# Altium PCB graviton.PcbDoc (part 3 of 15) (continued)
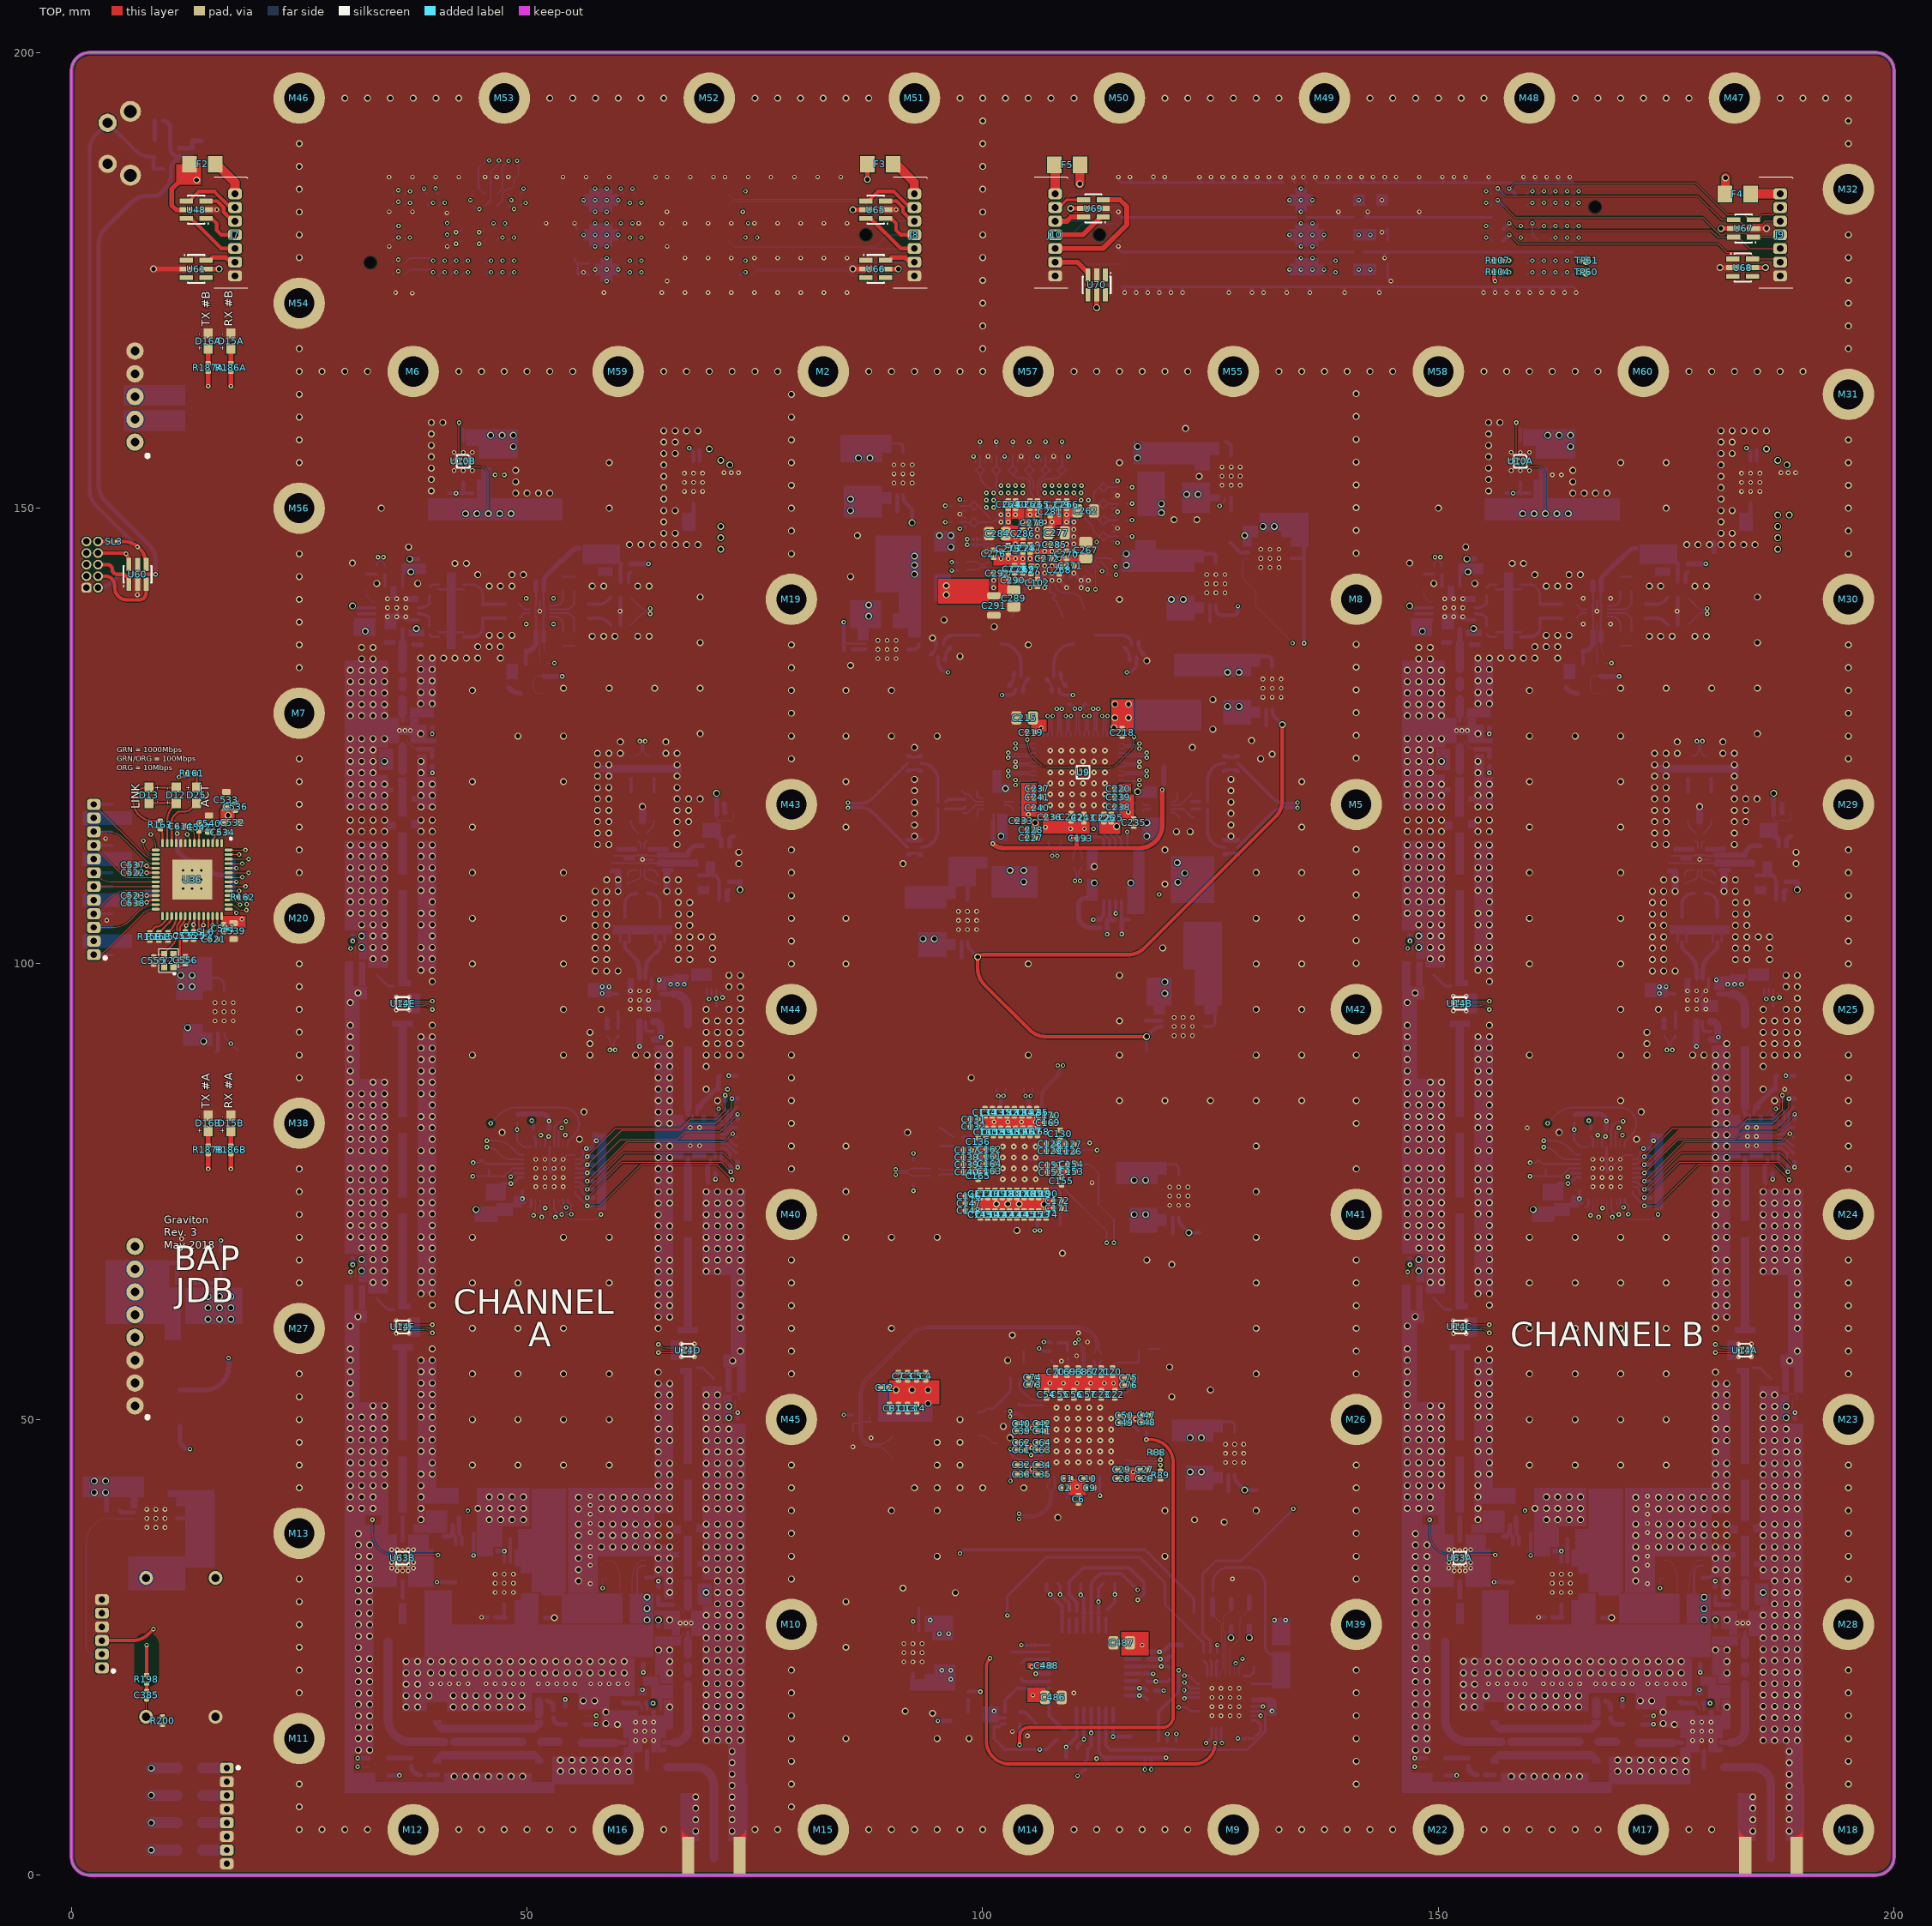
[diagram p0: TOP view]
## Components (designator, comment, footprint, x,y, rotation, side; value= is the part's Value field where it differs from the comment) (continued)
R113A "MCT06030C2000FP500" RESC1608X55N#1 169.955,135.7 r90 bottom value=200 (schematic designator R113)
R113B "MCT06030C2000FP500" RESC1608X55N#1 53.955,135.7 r90 bottom value=200 (schematic designator R113)
R114A "MCT0603MD1500DP500" RESC1608X55N#1 164.356,137.92 r180 bottom value=150 (schematic designator R114)
R114B "MCT0603MD1500DP500" RESC1608X55N#1 48.356,137.92 r180 bottom value=150 (schematic designator R114)
R116A "ERJ-2RKF1003X" RESC1005X40N#1 167.75,133 r0 bottom value=100k (schematic designator R116)
R116B "ERJ-2RKF1003X" RESC1005X40N#1 51.75,133 r0 bottom value=100k (schematic designator R116)
R117A "RT0402BRE075K76L" RESC1005X40N#1 173.8,143.9 r90 bottom value=5.76k (schematic designator R117)
R117B "RT0402BRE075K76L" RESC1005X40N#1 57.8,143.9 r90 bottom value=5.76k (schematic designator R117)
R119A "ERJ-2RKF1503X" RESC1005X40N#1 167.75,134 r180 bottom value=150k (schematic designator R119)
R119B "ERJ-2RKF1503X" RESC1005X40N#1 51.75,134 r180 bottom value=150k (schematic designator R119)
R120A "ERA-2AEB5491X" RESC1005X40N#1 173.8,142.3 r90 bottom value=5.49k (schematic designator R120)
R120B "ERA-2AEB5491X" RESC1005X40N#1 57.8,142.3 r90 bottom value=5.49k (schematic designator R120)
R124A "MCS0402PD4990DE500" RESC1005X40N#2 184.235,31.4 r0 bottom value=499 (schematic designator R124)
R124B "MCS0402PD4990DE500" RESC1005X40N#2 151.765,121.85 r180 bottom value=499 (schematic designator R124)
R124C "MCS0402PD4990DE500" RESC1005X40N#1 68.235,31.4 r0 bottom value=499 (schematic designator R124)
R124D "MCS0402PD4990DE500" RESC1005X40N#1 35.765,121.85 r180 bottom value=499 (schematic designator R124)
R125A "ERJ-2RKF9101X" RESC1005X40N#1 180.41,26.74 r270 bottom value=9.1K (schematic designator R125)
R125B "ERJ-2RKF9101X" RESC1005X40N#1 155.59,126.51 r90 bottom value=9.1K (schematic designator R125)
R125C "ERJ-2RKF9101X" RESC1005X40N#1 64.41,26.74 r270 bottom value=9.1K (schematic designator R125)
R125D "ERJ-2RKF9101X" RESC1005X40N#1 39.59,126.51 r90 bottom value=9.1K (schematic designator R125)
R126A "MCS0402PD1001DE500" RESC1005X40N#3 184.21,34.15 r180 bottom value=1k (schematic designator R126)
R126B "MCS0402PD1001DE500" RESC1005X40N#3 151.79,119.1 r0 bottom value=1k (schematic designator R126)
R126C "MCS0402PD1001DE500" RESC1005X40N#1 68.21,34.15 r180 bottom value=1k (schematic designator R126)
R126D "MCS0402PD1001DE500" RESC1005X40N#1 35.79,119.1 r0 bottom value=1k (schematic designator R126)
R127A "RC0402FR-0722RL" RESC1005X40N#1 180.41,31 r270 bottom value=22 (schematic designator R127)
R127B "RC0402FR-0722RL" RESC1005X40N#1 155.59,122.25 r90 bottom value=22 (schematic designator R127)
R127C "RC0402FR-0722RL" RESC1005X40N#1 64.41,31 r270 bottom value=22 (schematic designator R127)
R127D "RC0402FR-0722RL" RESC1005X40N#1 39.59,122.25 r90 bottom value=22 (schematic designator R127)
R130A "ERA-2AEB5230X" RESC1005X40N#1 179.9,92.15 r270 bottom value=523 (schematic designator R130)
R130B "ERA-2AEB5230X" RESC1005X40N#1 63.9,92.15 r270 bottom value=523 (schematic designator R130)
R133A "ERA-2AEB5230X" RESC1005X40N#1 148.25,137.975 r270 bottom value=523 (schematic designator R133)
R133B "ERA-2AEB5230X" RESC1005X40N#1 32.25,137.975 r270 bottom value=523 (schematic designator R133)
R134A "RC0402FR-071KL" RESC1005X40N#1 147.975,141.1 r180 bottom value=1K (schematic designator R134)
R134B "RC0402FR-071KL" RESC1005X40N#1 31.975,141.1 r180 bottom value=1K (schematic designator R134)
R137 "RC0402FR-0722RL" RESC1005X40N#1 107.4,57 r270 bottom value=22
R138 "RC0402FR-0739RL" RESC1005X40N#1 113.5,28.525 r270 bottom value=39
R139 "ERJ-2RKF1002X" RESC1005X40N#1 3.85,39.6 r90 bottom value=10k
R140 "ERA-2AEB49R9X" RESC1005X40N#1 109.3,58.8 r90 bottom value=49.9
R141 "ERJ-2RKF1002X" RESC1005X40N#1 130.4,140.9 r0 bottom value=10K
R142 "ERJ-2RKF1002X" RESC1005X40N#1 93.55,148.45 r0 bottom value=10K
R152A "RT0402DRD0710K5L" RESC1005X40N#1 160,151.15 r270 bottom value=10.5k (schematic designator R152)
R152B "RT0402DRD0710K5L" RESC1005X40N#1 44,151.15 r270 bottom value=10.5k (schematic designator R152)
R153A "RR0510P-202-D" RESC1005X40N#1 157,151.65 r0 bottom value=2k (schematic designator R153)
R153B "RR0510P-202-D" RESC1005X40N#1 41,151.65 r0 bottom value=2k (schematic designator R153)
R157 "ERA-2AEB49R9X" RESC1005X40N#1 10.6,103 r90 top value=49.9
R158 "ERA-2AEB49R9X" RESC1005X40N#1 9.6,103 r90 top value=49.9
R159 "ERJ-2RKF4991X" RESC1005X40N#1 8.6,103 r90 top value=4.99K
R161 "ERA-2AEB101X" RESC1005X40N#1 13.2,120.9 r0 top value=100
R162 "RC0402FR-0722RL" RESC1005X40N#1 18.8,107.3 r180 top value=22
R163 "ERA-2AEB101X" RESC1005X40N#1 9.75,115.25 r90 top value=100
R165 "ERJ-2RKF1002X" RESC1005X40N#1 12.045,113.3 r180 bottom value=10K
R169A "RT0402BRD073K32L" RESC1005X40N#1 184.9,149 r0 bottom value=3.32k (schematic designator R169)
R169B "RT0402BRD073K32L" RESC1005X40N#1 68.9,149 r0 bottom value=3.32k (schematic designator R169)
R170A "RT0402BRD071K02L" RESC1005X40N#1 182.6,148.6 r0 bottom value=1.02k (schematic designator R170)
R170B "RT0402BRD071K02L" RESC1005X40N#1 66.6,148.6 r0 bottom value=1.02k (schematic designator R170)
R171 "ERJ-2RKF4701X" RESC1005X40N#1 9.595,192.5 r0 bottom value=4.7k
R172 "RC0402FR-075K9L" RESC1005X40N#1 13.25,189.055 r270 bottom value=5.9K
R173 "ERJ-2RKF4701X" RESC1005X40N#1 10.5,187.25 r0 bottom value=4.7k
R174 "RC0402FR-071KL" RESC1005X40N#1 14.25,190.75 r270 bottom value=1K
R175A "ERJ-2RKF1002X" RESC1005X40N#1 167.975,81.9 r180 bottom value=10k (schematic designator R175)
R175B "ERJ-2RKF1002X" RESC1005X40N#1 51.975,81.9 r180 bottom value=10k (schematic designator R175)
R176A "RC0402FR-071KL" RESC1005X40N#1 163.4,76.2 r270 bottom value=1K (schematic designator R176)
R176B "RC0402FR-071KL" RESC1005X40N#1 47.4,76.2 r270 bottom value=1K (schematic designator R176)
R177A "ERJ-2RKF1002X" RESC1005X40N#1 173.7,78.85 r180 bottom value=10K (schematic designator R177)
R177B "ERJ-2RKF1002X" RESC1005X40N#1 57.7,78.85 r180 bottom value=10K (schematic designator R177)
R178A "ERJ-2RKF1002X" RESC1005X40N#1 173.7,77.95 r180 bottom value=10K (schematic designator R178)
R178B "ERJ-2RKF1002X" RESC1005X40N#1 57.7,77.95 r180 bottom value=10K (schematic designator R178)
R179A "ERJ-2RKF1002X" RESC1005X40N#1 173.7,77.05 r180 bottom value=10K (schematic designator R179)
R179B "ERJ-2RKF1002X" RESC1005X40N#1 57.7,77.05 r180 bottom value=10K (schematic designator R179)
R180A "ERJ-2RKF1002X" RESC1005X40N#1 173.7,76.15 r180 bottom value=10K (schematic designator R180)
R180B "ERJ-2RKF1002X" RESC1005X40N#1 57.7,76.15 r180 bottom value=10K (schematic designator R180)
R181A "ERJ-2RKF1002X" RESC1005X40N#1 173.7,75.25 r180 bottom value=10K (schematic designator R181)
R181B "ERJ-2RKF1002X" RESC1005X40N#1 57.7,75.25 r180 bottom value=10K (schematic designator R181)
R182A "ERJ-2RKF1002X" RESC1005X40N#1 173.7,74.35 r180 bottom value=10K (schematic designator R182)
R182B "ERJ-2RKF1002X" RESC1005X40N#1 57.7,74.35 r180 bottom value=10K (schematic designator R182)
R183A "ERJ-2RKF1002X" RESC1005X40N#1 173.7,73.45 r180 bottom value=10K (schematic designator R183)
R183B "ERJ-2RKF1002X" RESC1005X40N#1 57.7,73.45 r180 bottom value=10K (schematic designator R183)
R186A "RC0402FR-071KL" RESC1005X40N#1 17.5,165.445 r270 top value=1K (schematic designator R186)
R186B "RC0402FR-071KL" RESC1005X40N#1 17.5,79.595 r270 top value=1K (schematic designator R186)
R187A "RC0402FR-071KL" RESC1005X40N#1 15,165.445 r270 top value=1K (schematic designator R187)
R187B "RC0402FR-071KL" RESC1005X40N#1 15,79.595 r270 top value=1K (schematic designator R187)
R188A "ERJ-2RKF1503X" RESC1005X40N#1 158.3,37.6 r0 bottom value=150k (schematic designator R188)
R188B "ERJ-2RKF1503X" RESC1005X40N#1 42.3,37.6 r0 bottom value=150k (schematic designator R188)
R189A "ERJ-2RKF7502X" RESC1005X40N#1 159.16,39.225 r0 bottom value=75k (schematic designator R189)
R189B "ERJ-2RKF7502X" RESC1005X40N#1 43.16,39.225 r0 bottom value=75k (schematic designator R189)
R190A "FC0402E2000BTT0" RESC1005X40N#1 168.9,17.7 r270 bottom value=200 (schematic designator R190)
R190B "FC0402E2000BTT0" RESC1005X40N#1 52.9,17.7 r270 bottom value=200 (schematic designator R190)
R191A "FC0402E50R0BST1" RESC1005X40N#3 156.16,18.825 r270 bottom value=50 (schematic designator R191)
R191B "FC0402E50R0BST1" RESC1005X40N#1 40.16,18.825 r270 bottom value=50 (schematic designator R191)
R192A "FC0402E50R0BST1" RESC1005X40N#1 166.8,18.2 r0 bottom value=50 (schematic designator R192)
R192B "FC0402E50R0BST1" RESC1005X40N#1 50.8,18.2 r0 bottom value=50 (schematic designator R192)
R193A "FC0402E50R0BST1" RESC1005X40N#1 156.65,11.075 r180 bottom value=50 (schematic designator R193)
R193B "FC0402E50R0BST1" RESC1005X40N#1 40.65,11.075 r180 bottom value=50 (schematic designator R193)
R194A "FC0402E50R0BST1" RESC1005X40N#1 166.875,11.05 r0 bottom value=50 (schematic designator R194)
R194B "FC0402E50R0BST1" RESC1005X40N#1 50.875,11.05 r0 bottom value=50 (schematic designator R194)
R195A "FC0402E2000BTT0" RESC1005X40N#1 153.3,12.4 r270 bottom value=200 (schematic designator R195)
R195B "FC0402E2000BTT0" RESC1005X40N#1 37.3,12.4 r270 bottom value=200 (schematic designator R195)
R196 "RC0402FR-0739RL" RESC1005X40N#1 109.5,28.525 r270 bottom value=39
R197 "RC0402FR-0739RL" RESC1005X40N#1 111.1,16.425 r90 bottom value=39
R198 "RC0402FR-07215RL" RESC1005X40N#1 8.25,21.5 r90 top value=215
R200 "ERJ-2RKF1002X" RESC1005X40N#1 10,16.945 r90 top value=10K
R201 "MCS04020C3309FE000" RESC1005X40N#1 103.3,156.2 r90 bottom value=33
R202 "MCS04020C4999FE000" RESC1005X40N#1 103.8,154.6 r90 bottom value=49.9
R203 "MCS04020C4999FE000" RESC1005X40N#1 102.8,154.6 r270 bottom value=49.9
R204 "MCS04020C3309FE000" RESC1005X40N#1 105.1,156.2 r90 bottom value=33
R205 "MCS04020C4999FE000" RESC1005X40N#1 104.6,154.6 r90 bottom value=49.9
R206 "MCS04020C4999FE000" RESC1005X40N#1 105.6,154.6 r270 bottom value=49.9
R207 "MCS04020C3309FE000" RESC1005X40N#1 97,150.259 r180 bottom value=33
R208 "MCS04020C4999FE000" RESC1005X40N#1 98.6,149.759 r180 bottom value=49.9
R209 "MCS04020C4999FE000" RESC1005X40N#1 98.6,150.759 r0 bottom value=49.9
R210 "MCS04020C3309FE000" RESC1005X40N#1 97,148.459 r180 bottom value=33
R211 "MCS04020C4999FE000" RESC1005X40N#1 98.6,148.959 r180 bottom value=49.9
R212 "MCS04020C4999FE000" RESC1005X40N#1 98.6,147.959 r0 bottom value=49.9
R213 "MCS04020C3309FE000" RESC1005X40N#1 99.7,156.2 r90 bottom value=33
R214 "MCS04020C4999FE000" RESC1005X40N#1 100.2,154.6 r90 bottom value=49.9
R215 "MCS04020C4999FE000" RESC1005X40N#1 99.2,154.6 r270 bottom value=49.9
R216 "MCS04020C3309FE000" RESC1005X40N#1 101.5,156.2 r90 bottom value=33
R217 "MCS04020C4999FE000" RESC1005X40N#1 101,154.6 r90 bottom value=49.9
R218 "MCS04020C4999FE000" RESC1005X40N#1 102,154.6 r270 bottom value=49.9
R219 "MCS04020C3309FE000" RESC1005X40N#1 115.3,152.3 r0 bottom value=33
R220 "MCS04020C4999FE000" RESC1005X40N#1 113.7,151.8 r0 bottom value=49.9
R221 "MCS04020C4999FE000" RESC1005X40N#1 113.7,152.8 r180 bottom value=49.9
R222 "MCS04020C3309FE000" RESC1005X40N#1 115.3,150.5 r0 bottom value=33
R223 "MCS04020C4999FE000" RESC1005X40N#1 113.7,151 r0 bottom value=49.9
R224 "MCS04020C4999FE000" RESC1005X40N#1 113.7,150 r180 bottom value=49.9
R225 "MCS04020C3309FE000" RESC1005X40N#1 106.9,156.2 r90 bottom value=33
R226 "MCS04020C4999FE000" RESC1005X40N#1 107.4,154.6 r90 bottom value=49.9
R227 "MCS04020C4999FE000" RESC1005X40N#1 106.4,154.6 r270 bottom value=49.9
R228 "MCS04020C3309FE000" RESC1005X40N#1 108.7,156.2 r90 bottom value=33
R229 "MCS04020C4999FE000" RESC1005X40N#1 108.2,154.6 r90 bottom value=49.9
R230 "MCS04020C4999FE000" RESC1005X40N#1 109.2,154.6 r270 bottom value=49.9
R231 "MCS04020C3309FE000" RESC1005X40N#1 115.3,148.7 r0 bottom value=33
R232 "MCS04020C4999FE000" RESC1005X40N#1 113.7,148.2 r0 bottom value=49.9
R233 "MCS04020C4999FE000" RESC1005X40N#1 113.7,149.2 r180 bottom value=49.9
R234 "MCS04020C3309FE000" RESC1005X40N#1 115.3,146.9 r0 bottom value=33
R235 "MCS04020C4999FE000" RESC1005X40N#1 113.7,147.4 r0 bottom value=49.9
R236 "MCS04020C4999FE000" RESC1005X40N#1 113.7,146.4 r180 bottom value=49.9
R237 "RC0402FR-071KL" RESC1005X40N#1 111.25,12 r270 bottom value=1K
R239 "ERJ-2RKF1002X" RESC1005X40N#1 118.5,20.25 r0 bottom value=10K
R242 "RC0402FR-0739RL" RESC1005X40N#1 117.75,24.5 r180 bottom value=39
R243 "ERJ-2RKF1002X" RESC1005X40N#1 118.5,19.25 r180 bottom value=10K
R244 "RC0402FR-071KL" RESC1005X40N#1 122.5,13.445 r90 bottom value=1K
R245 "RC0402FR-071KL" RESC1005X40N#1 122.25,25.25 r180 bottom value=1K
R252 "RC0402FR-071KL" RESC1005X40N#1 98.4,19.7 r90 bottom value=1K
R253A "ERA-3AEB2153V" RESC1608X55N#1 164.375,28.3 r0 bottom value=215k (schematic designator R253)
R253B "ERA-3AEB2153V" RESC1608X55N#1 48.375,28.3 r0 bottom value=215k (schematic designator R253)
R254A "ERJ-2RKF1002X" RESC1005X40N#1 162.3,35.55 r180 bottom value=10K (schematic designator R254)
R254B "ERJ-2RKF1002X" RESC1005X40N#1 46.3,35.55 r180 bottom value=10K (schematic designator R254)
R255A "RT0402BRD0711K3L" RESC1005X40N#1 162.1,28.3 r0 bottom value=11.3k (schematic designator R255)
R255B "RT0402BRD0711K3L" RESC1005X40N#1 46.1,28.3 r0 bottom value=11.3k (schematic designator R255)
R256A "RG2012P-301-B-T5" RESC2012X70N 178.75,22.25 r90 bottom value=300 (schematic designator R256)
R256B "RG2012P-301-B-T5" RESC2012X70N 62.75,22.25 r90 bottom value=300 (schematic designator R256)
S1 "EVQ-PF006K" EVQ-PF006K 3.973,190.04 r90 bottom locked
SL1 "SOLDER_LINK" SOLDERLINK0603X26N 99.2,146 r180 bottom
SL2 "SOLDER_LINK" SOLDERLINK0603X26N 99.2,146.6 r180 bottom
SL3 "SOLDER_LINK" SOLDERLINK0603X26N_BRIDGED 4.67,146.35 r0 top
SL6 "SOLDER_LINK" SOLDERLINK0603X26N_BRIDGED 14.75,103.5 r0 top
SL7 "SOLDER_LINK" SOLDERLINK0603X26N_BRIDGED 105.5,25.25 r180 bottom
SL8 "SOLDER_LINK" SOLDERLINK0603X26N_BRIDGED 108.7,28.535 r90 bottom
SL9 "SOLDER_LINK" SOLDERLINK0603X26N_BRIDGED 112.7,28.535 r90 bottom
SL11 "SOLDER_LINK" SOLDERLINK0603X26N_BRIDGED 112.75,16.5 r270 bottom
SL12 "SOLDER_LINK" SOLDERLINK0603X26N_BRIDGED 111.9,28.535 r90 bottom
SL13 "SOLDER_LINK" SOLDERLINK0603X26N_BRIDGED 118.5,12.5 r270 bottom
SL14 "SOLDER_LINK" SOLDERLINK0603X26N_BRIDGED 117.8,12.5 r270 bottom
SL15 "SOLDER_LINK" SOLDERLINK0603X26N_BRIDGED 117.535,22.9 r0 bottom
SL16 "SOLDER_LINK" SOLDERLINK0603X26N_BRIDGED 117.535,22.1 r0 bottom
SL17 "SOLDER_LINK" SOLDERLINK0603X26N_BRIDGED 113.6,12.485 r270 bottom
SL18 "SOLDER_LINK" SOLDERLINK0603X26N_BRIDGED 129,15 r0 bottom
SL19 "SOLDER_LINK" SOLDERLINK0603X26N_BRIDGED 111.1,28.535 r90 bottom
SL21 "SOLDER_LINK" SOLDERLINK0603X26N_BRIDGED 113.5,16.502 r270 bottom
SL23 "SOLDER_LINK" SOLDERLINK0603X26N_BRIDGED 111.9,16.502 r270 bottom
SL25 "SOLDER_LINK" SOLDERLINK0603X26N_BRIDGED 110.3,16.502 r270 bottom
SL26 "SOLDER_LINK" SOLDERLINK0603X26N_BRIDGED 105.5,20.5 r180 bottom
T1A "TC4-1TG2+" AT224-1A 178.665,117.197 r0 bottom value=4:1 (schematic designator T1)
T1B "TC4-1TG2+" AT224-1A 62.665,117.197 r0 bottom value=4:1 (schematic designator T1)
T3 "TC1-1TG2+" AT224-1A 101.325,136.953 r158 bottom value=1:1
T4 "TC1-1TG2+" AT224-1A 110.675,136.953 r202 bottom value=1:1
TP1 "TEST_POINT_SMD_50" TEST_POINT_SMD_10 113.25,32 r90 bottom
TP2 "TEST_POINT_SMD_10" TEST_POINT_SMD_10 104.25,23.25 r90 bottom
TP3 "TEST_POINT_SMD_10" TEST_POINT_SMD_10 103,24.5 r90 bottom
TP4 "TEST_POINT_SMD_10" TEST_POINT_SMD_10 112.7,145.4 r90 bottom
TP5 "5015" 5015 70,135 r270 bottom
TP6 "5015" 5015 50,115 r270 bottom
TP7 "5015" 5015 50,95 r270 bottom
TP8 "5015" 5015 45,60 r270 bottom
TP9 "5015" 5015 55,50 r270 bottom
TP10 "5015" 5015 162.5,57.5 r270 bottom
TP11 "5015" 5015 187.5,132.5 r270 bottom
TP12 "5015" 5015 172.5,47.5 r270 bottom
TP13 "5015" 5015 147.5,152.5 r270 bottom
TP14 "5015" 5015 165,92.5 r270 bottom
TP15 "TEST_POINT_SMD_10" TEST_POINT_SMD_10 104.25,21.5 r90 bottom
TP17A "MS-180(20)" MS-180(20) 127.25,122 r180 bottom (schematic designator TP17)
TP17B "MS-180(20)" MS-180(20) 92.5,112.8 r0 bottom (schematic designator TP17)
TP18 "5015" 5015 124.5,100.625 r180 bottom
TP19 "5015" 5015 124.5,132.75 r90 bottom
TP20 "5015" 5015 91.25,107.25 r90 bottom
TP21 "5015" 5015 120.75,48.75 r90 bottom
TP22 "5015" 5015 117.75,144.2 r90 bottom
TP23 "5015" 5015 119,156 r270 bottom
TP24 "5015" 5015 91,140.55 r0 bottom
TP25 "5015" 5015 11.75,100.75 r180 bottom
TP26 "5015" 5015 114.5,77.25 r90 bottom
TP27A "MS-180(20)" MS-180(20) 127.25,112.8 r180 bottom (schematic designator TP27)
TP27B "MS-180(20)" MS-180(20) 92.5,122 r0 bottom (schematic designator TP27)
TP28 "MS-180(20)" MS-180(20) 103.923,130.883 r68 bottom
TP29A "5015" 5015 156.95,149.9 r0 bottom (schematic designator TP29)
TP29B "5015" 5015 40.95,149.9 r0 bottom (schematic designator TP29)
TP30 "MS-180(20)" MS-180(20) 95.393,134.329 r68 bottom
TP33 "TEST_POINT_SMD_50" TEST_POINT_SMD_10 117,54.75 r90 bottom
TP34 "TEST_POINT_SMD_50" TEST_POINT_SMD_10 104,51.75 r90 bottom
TP35 "TEST_POINT_SMD_50" TEST_POINT_SMD_10 107,32 r90 bottom
TP36 "TEST_POINT_SMD_50" TEST_POINT_SMD_10 108.25,32 r90 bottom
TP37 "TEST_POINT_SMD_50" TEST_POINT_SMD_10 114,13.75 r90 bottom
TP38 "TEST_POINT_SMD_50" TEST_POINT_SMD_10 111.5,13.75 r90 bottom
TP39 "TEST_POINT_SMD_50" TEST_POINT_SMD_10 120.5,25.25 r90 bottom
TP40 "TEST_POINT_SMD_50" TEST_POINT_SMD_10 120.5,24 r90 bottom
TP41 "TEST_POINT_SMD_50" TEST_POINT_SMD_10 120.5,22.75 r90 bottom
TP42 "TEST_POINT_SMD_50" TEST_POINT_SMD_10 120.5,21.5 r90 bottom
TP43 "TEST_POINT_SMD_50" TEST_POINT_SMD_10 112.75,13.75 r90 bottom
TP44 "TEST_POINT_SMD_50" TEST_POINT_SMD_10 116.25,15.25 r90 bottom
TP46 "TEST_POINT_SMD_50" TEST_POINT_SMD_10 114.5,32 r90 bottom
TP47 "TEST_POINT_SMD_50" TEST_POINT_SMD_10 110.75,32 r90 bottom
TP48 "TEST_POINT_SMD_50" TEST_POINT_SMD_10 109.5,32 r90 bottom
TP49 "TEST_POINT_SMD_50" TEST_POINT_SMD_10 112,32 r90 bottom
TP50 "TEST_POINT_SMD_50" TEST_POINT_SMD_10 110.25,13.75 r90 bottom
TP51 "TEST_POINT_SMD_50" TEST_POINT_SMD_10 109,12.9 r180 bottom
TP53 "TEST_POINT_SMD_50" TEST_POINT_SMD_10 119.35,107.65 r90 bottom
TP54 "5015" 5015 123.75,64.25 r90 bottom
TP55 "5015" 5015 132.5,35 r270 bottom
TP56 "5015" 5015 165,112.5 r270 bottom
TP57 "5015" 5015 14.5,149 r90 bottom
TP58 "5015" 5015 176.6,186.1 r90 bottom
TP59 "MS-180(20)" MS-180(20) 108.077,130.883 r112 bottom
TP60 "TEST_POINT_SMD_50" TEST_POINT_SMD_10 166.225,175.9 r90 top
TP61 "TEST_POINT_SMD_50" TEST_POINT_SMD_10 166.25,177.175 r90 top
TP62 "TEST_POINT_SMD_50" TEST_POINT_SMD_10 111.25,128.5 r90 bottom
TP63 "TEST_POINT_SMD_50" TEST_POINT_SMD_10 109.5,128.5 r90 bottom
TP67 "MS-180(20)" MS-180(20) 116.607,134.329 r112 bottom
TP68A "5015" 5015 188.4,146.975 r90 bottom (schematic designator TP68)
TP68B "5015" 5015 72.4,146.975 r90 bottom (schematic designator TP68)
U1 "LMK04826B" NKD0064A 111.1,48.3 r90 bottom locked
U2 "DAC3484IZAY" ZAY-BGA-196 106,146.87 r270 bottom locked
U3A "MAX4080SAUA+" uMAX8 176.875,33.625 r180 bottom (schematic designator U3)
U3B "MAX4080SAUA+" uMAX8 60.875,33.625 r180 bottom (schematic designator U3)
U4A "HMC1099LP5DE" QFN50P500X500X153-33N 152.345,34.5 r270 bottom (schematic designator U4)
U4B "HMC1099LP5DE" QFN50P500X500X153-33N 36.345,34.5 r270 bottom (schematic designator U4)
U5 "AMC7891SRHHT" QFN50P600X600X90-37N 126.64,19 r180 bottom
U6A "LMH6554LE" NHJ0014A 119.5,117.2 r180 bottom (schematic designator U6)
U6B "LMH6554LE" NHJ0014A 101.2,117.6 r0 bottom (schematic designator U6)
U7 "LMK04133SQ" RHS 104,78.146 r270 bottom
U8 "SN74AVC4T774PWR" TSSOP16 114.25,109.775 r90 bottom
U9 "LM20SITL" YZR-4 111.025,121.025 r90 top
U10A "LM20SITL" YZR-4 159,155.15 r180 top (schematic designator U10)
U10B "LM20SITL" YZR-4 43,155.15 r180 top (schematic designator U10)
U11A "TLV76033DBZ" SOT23 160.35,73.05 r270 bottom (schematic designator U11)
U11B "TLV76033DBZ" SOT23 44.35,73.05 r270 bottom (schematic designator U11)
U12A "SLG59M611V" DFN200X150X80-8N 188.575,52.85 r90 bottom (schematic designator U12)
U12B "SLG59M611V" DFN200X150X80-8N 147.425,100.4 r270 bottom (schematic designator U12)
U12C "SLG59M611V" DFN200X150X80-8N 147.425,64.9 r270 bottom (schematic designator U12)
U12D "SLG59M611V" DFN200X150X80-8N 72.575,52.85 r90 bottom (schematic designator U12)
U12E "SLG59M611V" DFN200X150X80-8N 31.425,100.4 r270 bottom (schematic designator U12)
U12F "SLG59M611V" DFN200X150X80-8N 31.425,64.9 r270 bottom (schematic designator U12)
U13A "MMG3006NT1" QFN65P400X400X90-17N 183.65,57.598 r90 bottom (schematic designator U13)
U13B "MMG3006NT1" QFN65P400X400X90-17N 152.35,95.652 r270 bottom (schematic designator U13)
U13C "MMG3006NT1" QFN65P400X400X90-17N 152.35,60.152 r270 bottom (schematic designator U13)
U13D "MMG3006NT1" QFN65P400X400X90-17N 67.65,57.598 r90 bottom (schematic designator U13)
U13E "MMG3006NT1" QFN65P400X400X90-17N 36.35,95.652 r270 bottom (schematic designator U13)
U13F "MMG3006NT1" QFN65P400X400X90-17N 36.35,60.152 r270 bottom (schematic designator U13)
U14A "LM20SITL" YZR-4 183.65,57.598 r180 top (schematic designator U14)
U14B "LM20SITL" YZR-4 152.35,95.652 r0 top (schematic designator U14)
U14C "LM20SITL" YZR-4 152.35,60.152 r0 top (schematic designator U14)
U14D "LM20SITL" YZR-4 67.65,57.598 r180 top (schematic designator U14)
U14E "LM20SITL" YZR-4 36.35,95.652 r0 top (schematic designator U14)
U14F "LM20SITL" YZR-4 36.35,60.152 r0 top (schematic designator U14)
U15A "PE43713" QFN-PE-32 184.9,81.05 r90 bottom (schematic designator U15)
U15B "PE43713" QFN-PE-32 68.9,81.05 r90 bottom (schematic designator U15)
U16A "LT1761IS5-2.5" TSOT-5 187.725,115.275 r270 bottom (schematic designator U16)
U16B "LT1761IS5-2.5" TSOT-5 71.725,115.275 r270 bottom (schematic designator U16)
U17A "LMH6554LE" NHJ0014A 178.665,111.447 r90 bottom (schematic designator U17)
U17B "LMH6554LE" NHJ0014A 62.665,111.447 r90 bottom (schematic designator U17)
U18A "SLG59M611V" DFN200X150X80-8N 186.5,97.805 r90 bottom (schematic designator U18)
U18B "SLG59M611V" DFN200X150X80-8N 70.5,97.805 r90 bottom (schematic designator U18)
U19A "LT1964IS5-BYP" SOT23-5 187.025,109 r270 bottom (schematic designator U19)
U19B "LT1964IS5-BYP" SOT23-5 71.025,109 r270 bottom (schematic designator U19)
U20A "LT1761IS5-2.5" TSOT-5 166.55,130.645 r180 bottom (schematic designator U20)
U20B "LT1761IS5-2.5" TSOT-5 50.55,130.645 r180 bottom (schematic designator U20)
U21 "ADS42LB69IRG" S-PVQFN-N64 110.4,120.4 r180 bottom locked
U22A "LMH6554LE" NHJ0014A 167.4,138.7 r180 bottom (schematic designator U22)
U22B "LMH6554LE" NHJ0014A 51.4,138.7 r180 bottom (schematic designator U22)
U23 "MAX4080SAUA+" uMAX8 14.25,67.5 r0 bottom
U24A "LT1964IS5-BYP" SOT23-5 176.3,143.9 r270 bottom (schematic designator U24)
U24B "LT1964IS5-BYP" SOT23-5 60.3,143.973 r270 bottom (schematic designator U24)
U25 "TLV76050DBZ" SOT23 134,25 r90 bottom
U26A "SKY67150-396LF" SON50P200X200X80-9N 183.41,27.65 r90 bottom (schematic designator U26)
U26B "SKY67150-396LF" SON50P200X200X80-9N 152.59,125.6 r270 bottom (schematic designator U26)
U26C "SKY67150-396LF" SON50P200X200X80-9N 67.41,27.65 r90 bottom (schematic designator U26)
U26D "SKY67150-396LF" SON50P200X200X80-9N 36.59,125.6 r270 bottom (schematic designator U26)
U27A "XLF-151+" QFN-XLF-12 176.735,103.75 r90 bottom (schematic designator U27)
U27B "XLF-151+" QFN-XLF-12 60.735,103.75 r90 bottom (schematic designator U27)
U28A "MAX2031ETP" QFN21P65_500X500X80L55X30T320N#1 178.34,96.04 r270 bottom (schematic designator U28)
U28B "MAX2031ETP" QFN21P65_500X500X80L55X30T320N#2 62.34,96.04 r270 bottom (schematic designator U28)
U29A "XLF-151+" QFN-XLF-12 180.595,103.75 r90 bottom (schematic designator U29)
U29B "XLF-151+" QFN-XLF-12 64.595,103.75 r90 bottom (schematic designator U29)
U30A "MAX2031ETP" QFN21P65_500X500X80L55X30T320N#2 151.69,139.075 r180 bottom (schematic designator U30)
U30B "MAX2031ETP" QFN21P65_500X500X80L55X30T320N#2 35.69,139.075 r180 bottom (schematic designator U30)
U31A "XLF-151+" QFN-XLF-12 157.69,135.89 r0 bottom (schematic designator U31)
U31B "XLF-151+" QFN-XLF-12 41.69,135.89 r0 bottom (schematic designator U31)
U32A "XLF-151+" QFN-XLF-12 157.69,141.61 r0 bottom (schematic designator U32)
U32B "XLF-151+" QFN-XLF-12 41.69,141.61 r0 bottom (schematic designator U32)
U33 "TPS7A4701RGW" QFN65P500X500X100-21N 9.266,39.143 r180 bottom
U34 "TPS7A4701RGW" QFN65P500X500X100-21N 122,93.125 r180 bottom
U35 "TPS7A4701RGW" QFN65P500X500X100-21N 131.75,130.25 r270 bottom
U36 "88E1512" QFN-56 13.25,109.25 r270 top
U37 "TPS7A4701RGW" QFN65P500X500X100-21N 98.332,104.766 r270 bottom
U38 "SN74AUP1T157DCK" SOT363 103.25,17.25 r270 bottom
U39 "TPS7A4701RGW" QFN65P500X500X100-21N 127.643,46.281 r270 bottom
U40 "TPS7A4701RGW" QFN65P500X500X100-21N 125.582,141.716 r270 bottom
U41 "TPS7A8300ARGW" QFN65P500X500X100-21N 127.257,153.516 r270 bottom
U42 "TPS7A8300ARGW" QFN65P500X500X100-21N 89.5,134.5 r180 bottom
U43 "TPS7A4701RGW" QFN65P500X500X100-21N 16.75,94.75 r270 bottom
U44 "TPS7A4701RGW" QFN65P500X500X100-21N 92.343,24.409 r90 bottom
U45 "TPS7A4701RGW" QFN65P500X500X100-21N 121.507,74.516 r270 bottom
U46 "TPS7A4701RGW" QFN65P500X500X100-21N 131.516,144.493 r180 bottom
U47 "TPS7A4701RGW" QFN65P500X500X100-21N 91.257,153.766 r270 bottom
U48 "NUP4301MR6" SOT23-6 13.7,182.75 r90 top
U49A "TPS7A8300ARGW" QFN65P500X500X100-21N 158.993,155.134 r90 bottom (schematic designator U49)
U49B "TPS7A8300ARGW" QFN65P500X500X100-21N 42.993,155.134 r90 bottom (schematic designator U49)
U50 "KC3225A8.00000C3GE00" OSCCC320X250X80L75X100N 107,15.75 r180 bottom
U52A "TPS7A3301RGW" QFN65P500X500X100-21N 184.268,152.834 r90 bottom (schematic designator U52)
U52B "TPS7A3301RGW" QFN65P500X500X100-21N 68.268,152.834 r90 bottom (schematic designator U52)
U53 "TPS3808G01DBVR" DBV-6 10.5,189.5 r270 bottom locked
U54A "AMC7891SRHHT" QFN50P600X600X90-37N 168.46,77.05 r0 bottom locked (schematic designator U54)
U54B "AMC7891SRHHT" QFN50P600X600X90-37N 52.46,77.05 r0 bottom (schematic designator U54)
U55A "SF2098H" SM2016-4 183.721,38 r315 bottom (schematic designator U55)
U55B "SF2098H" SM2016-4 152.421,115.25 r135 bottom (schematic designator U55)
U55C "SF2098H" SM2016-4 67.721,38 r315 bottom (schematic designator U55)
U55D "SF2098H" SM2016-4 36.421,115.25 r135 bottom (schematic designator U55)
U56A "AD8622ARMZ" MSOP8 159.15,34.2 r0 bottom (schematic designator U56)
U56B "AD8622ARMZ" MSOP8 43.15,34.2 r0 bottom (schematic designator U56)
U57A "LTC5531ES6" SOT23-6 171.3,17.5 r90 bottom (schematic designator U57)
U57B "LTC5531ES6" SOT23-6 55.3,17.5 r90 bottom (schematic designator U57)
U58A "LTC5531ES6" SOT23-6 149.7,11.895 r270 bottom (schematic designator U58)
U58B "LTC5531ES6" SOT23-6 33.7,11.895 r270 bottom (schematic designator U58)
U59 "STM32F303K8T6" QFP80P900X900X160-32N 111.5,22.5 r0 bottom
U60 "NUP4301MR6" SOT23-6 7.25,142.75 r0 top
U61 "NUP4301MR6" SOT23-6 13.7,176.25 r270 top
U62A "TPS7A4701RGW" QFN65P500X500X100-21N 163.493,32.034 r90 bottom (schematic designator U62)
U62B "TPS7A4701RGW" QFN65P500X500X100-21N 47.493,32.034 r90 bottom (schematic designator U62)
U63A "LM20SITL" YZR-4 152.345,34.8 r90 top (schematic designator U63)
U63B "LM20SITL" YZR-4 36.345,34.8 r90 top (schematic designator U63)
U64A "PE42820MLBA-X" QFN50P500X500X90-32N 178.9,15.788 r0 bottom (schematic designator U64)
U64B "PE42820MLBA-X" QFN50P500X500X90-32N 62.9,15.788 r0 bottom (schematic designator U64)
U65 "NUP4301MR6" SOT23-6 88.25,182.75 r90 top
U66 "NUP4301MR6" SOT23-6 88.25,176.25 r270 top
U67 "NUP4301MR6" SOT23-6 183.5,180.7 r90 top
U68 "NUP4301MR6" SOT23-6 183.4,176.4 r270 top
U69 "NUP4301MR6" SOT23-6 112.15,182.9 r90 top
U70 "NUP4301MR6" SOT23-6 112.5,174.5 r180 top
Y1 "VX-501-0071-400M0" G218 95.25,48.25 r270 bottom
Y2 "XRCGB25M000F3N00R0" XRCGB 10.681,100.363 r270 top
Y3 "OX-400-0047-40M00" G125 12,25 r90 bottom locked